# KiCad board PANEL5x4_COM_MOD.kicad_pcb (continued)
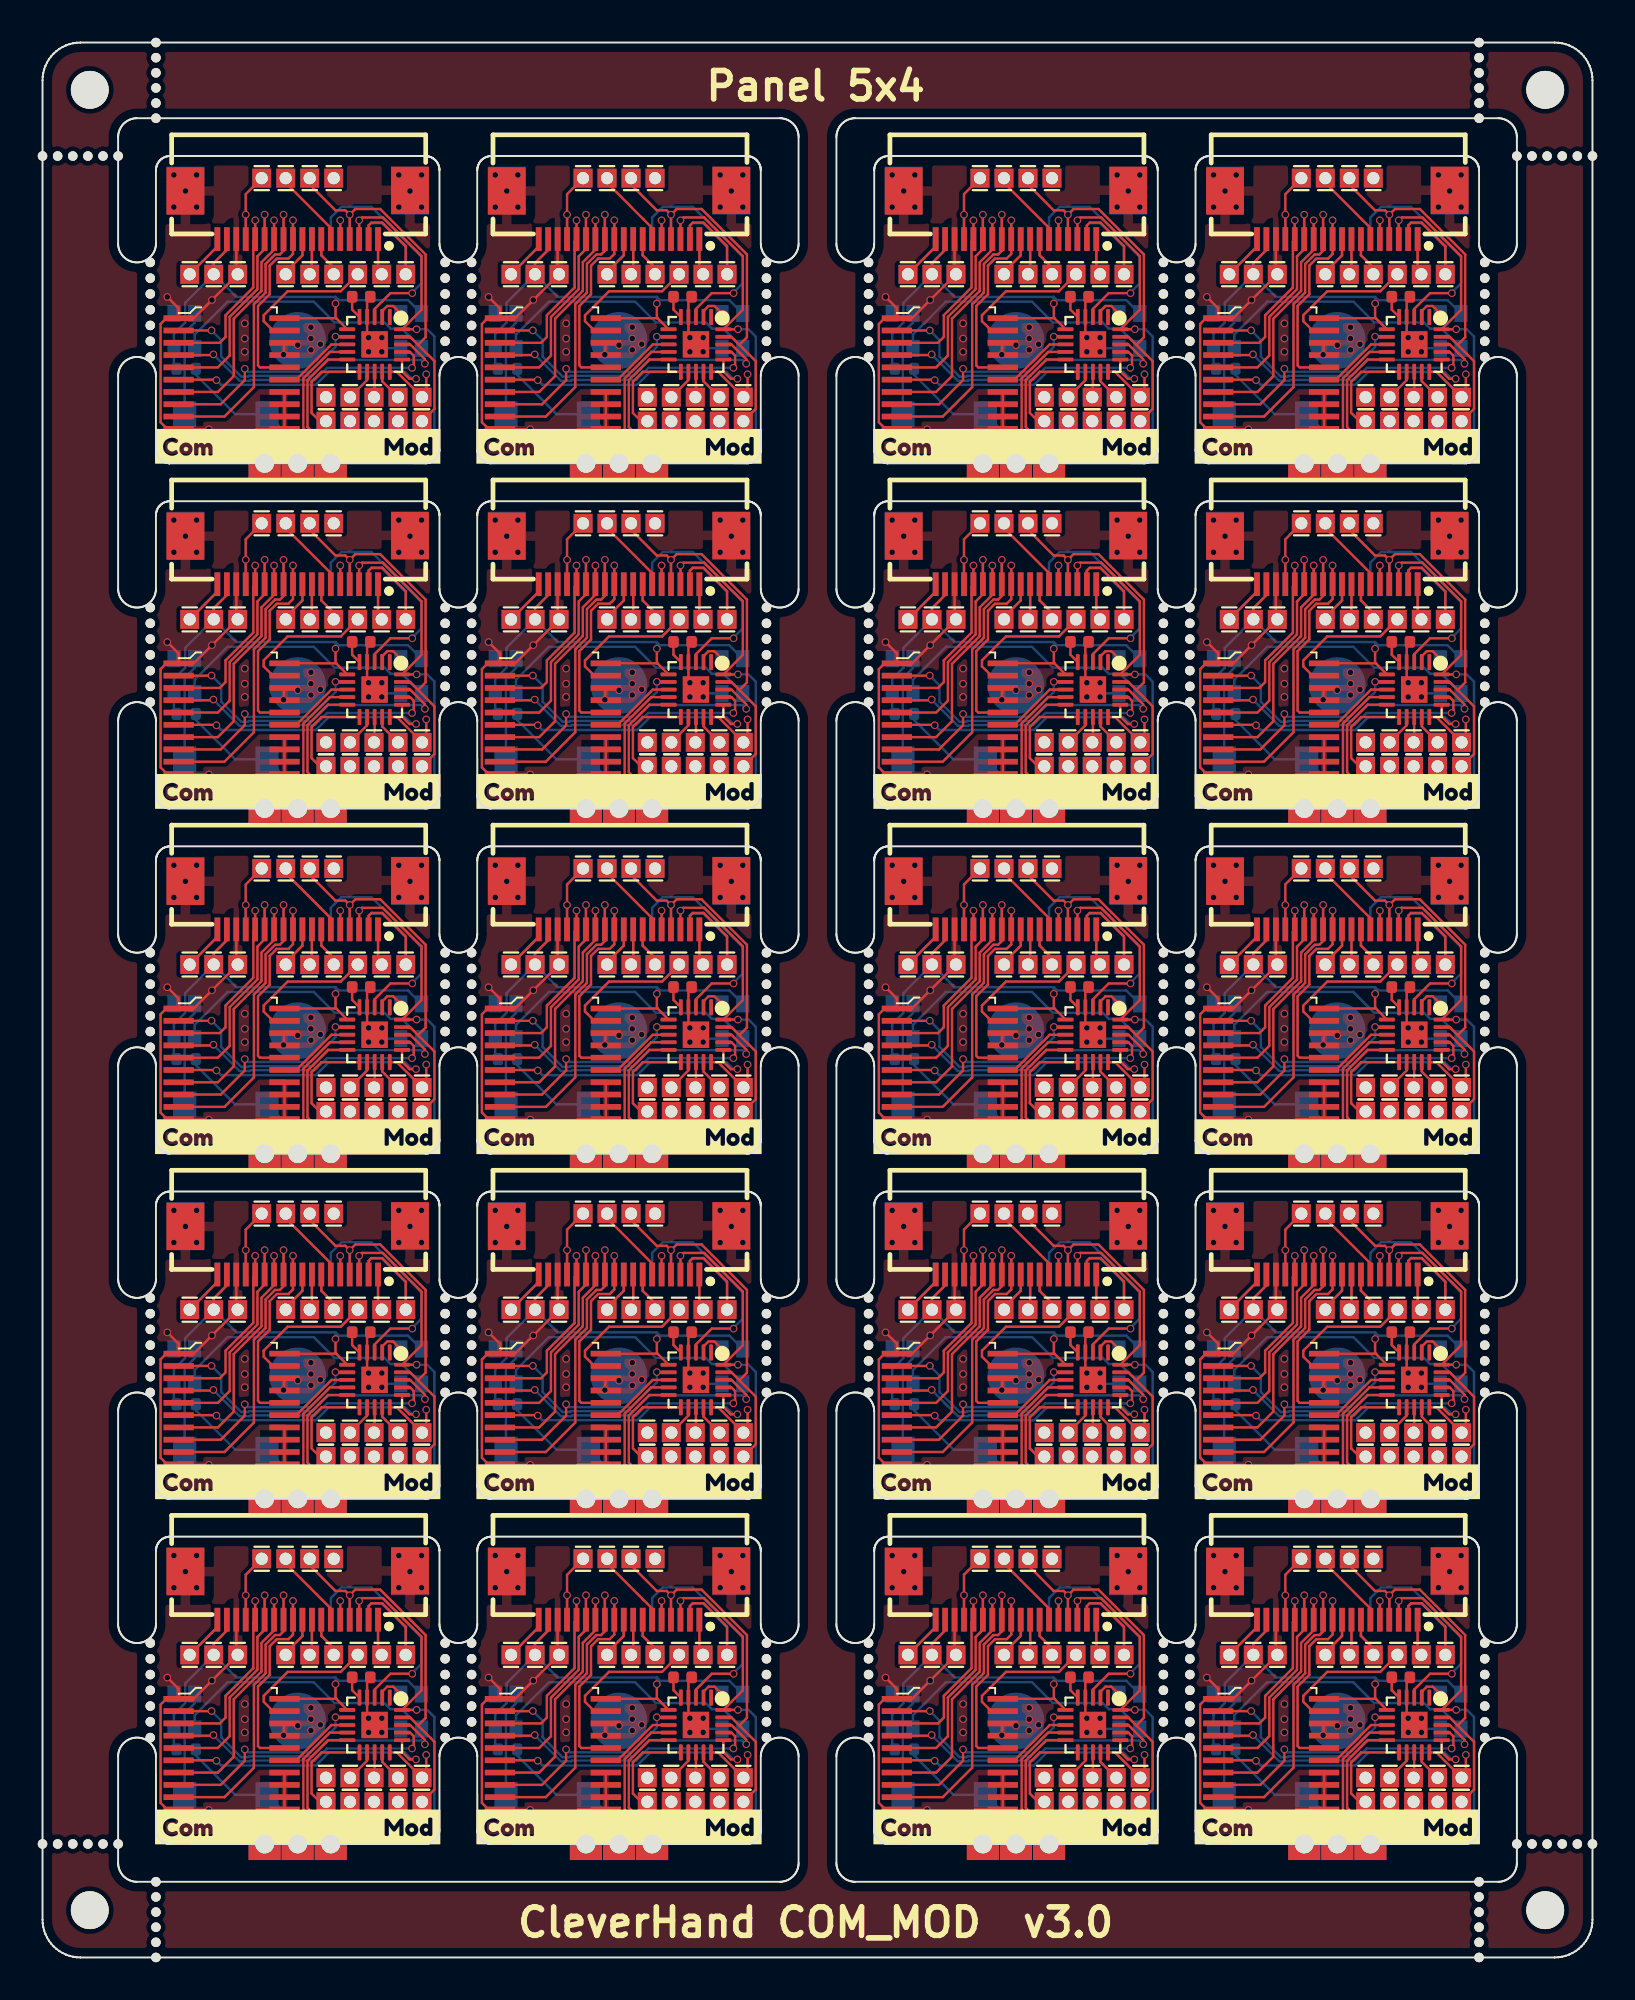
[diagram p0: board, top side]
## Nets
Board_0-+3.3V: FPC1#20.2 FPC2#15.17 J1#14.1 LED1#16.4 LED2#13.4 R1#10.1 U1#3.6 U2#17.20
Board_0-/addr_bus_0: FPC1#20.5 FPC2#15.14 U2#17.3
Board_0-/addr_bus_1: FPC1#20.6 FPC2#15.13 U2#17.5
Board_0-/addr_bus_2: FPC1#20.7 FPC2#15.12 U2#17.7
Board_0-/addr_bus_3: FPC1#20.8 FPC2#15.11 U2#17.9
Board_0-/addr_bus_4: FPC1#20.9 FPC2#15.10 U2#17.16
Board_0-/addr_mod_0: U1#3.18 U2#17.2
Board_0-/addr_mod_1: U1#3.17 U2#17.4
Board_0-/addr_mod_2: U1#3.16 U2#17.6
Board_0-/addr_mod_3: U1#3.7 U2#17.8
Board_0-/addr_mod_4: U1#3.8 U2#17.15
Board_0-/AIN0: J18#12.1 U1#3.11
Board_0-/AUX1: FPC1#20.1 FPC2#15.18 J19#20.1
Board_0-/AUX2: FPC1#20.17 FPC2#15.2 J20.1
Board_0-/AUX3: FPC1#20.4 FPC2#15.15 J3#14.1
Board_0-/CSB: J8#17.1 U2#17.19
Board_0-/extRef: FPC1#20.18 FPC2#15.1 J9#18.1
Board_0-/GPIO: J21#12.1 R1#10.2 SW1#2.1 U1#3.10
Board_0-/i2C_SCL: FPC1#20.16 FPC2#15.3 J16#4.1 J23#7.1 U1#3.20
Board_0-/I2C_SDA: FPC1#20.15 FPC2#15.4 J10#8.1 J17#2.1 U1#3.19
Board_0-/IO1_in: FPC1#20.13 U1#3.3
Board_0-/IO1_out: FPC2#15.6 J4#17.1 J11#10.1 U1#3.15
Board_0-/IO2: FPC1#20.14 FPC2#15.5
Board_0-/LED_IN: LED1#16.3 U1#3.2
Board_0-/LED_OUT: LED2#13.1
Board_0-/PICO: FPC1#20.11 FPC2#15.8 J6#11.1
Board_0-/PICO_ARM: J13#3.1 U1#3.13
Board_0-/POCI: FPC1#20.10 FPC2#15.9 J5#19.1
Board_0-/SCLK: FPC1#20.12 FPC2#15.7 J7#16.1
Board_0-/SCLK_ARM: J14#6.1 U1#3.12
Board_0-/SPICS_ARM: J15#15.1 U1#3.9
Board_0-/SWDIO/POCI_ARM: J12#7.1 U1#3.14
Board_0-/Vcap: C1#18.2 U1#3.5
Board_0-GND: C1#18.1 FPC1#20.3 FPC1#20.19 FPC1#20.20 FPC2#15.16 FPC2#15.19 FPC2#15.20 I1#16.1 J2#20.1 J22#16.1 J24#2.1 J25#18.1 J26#4.1 LED1#16.2 LED2#13.2 SW1#2.2 U1#3.4 U1#3.21 U2#17.1 U2#17.10 U2#17.11 U2#17.12 U2#17.13 U2#17.14 U2#17.17 U2#17.18
Board_0-Net-(LED1-DO): LED1#16.1 LED2#13.3
Board_0-unconnected-(U1-P00-Pad1): U1#3.1
Board_1-+3.3V: FPC1#13.2 FPC2#7.17 J1#20.1 LED1#9.4 LED2#4.4 R1#2.1 U1#4.6 U2#9.20
Board_1-/addr_bus_0: FPC1#13.5 FPC2#7.14 U2#9.3
Board_1-/addr_bus_1: FPC1#13.6 FPC2#7.13 U2#9.5
Board_1-/addr_bus_2: FPC1#13.7 FPC2#7.12 U2#9.7
Board_1-/addr_bus_3: FPC1#13.8 FPC2#7.11 U2#9.9
Board_1-/addr_bus_4: FPC1#13.9 FPC2#7.10 U2#9.16
Board_1-/addr_mod_0: U1#4.18 U2#9.2
Board_1-/addr_mod_1: U1#4.17 U2#9.4
Board_1-/addr_mod_2: U1#4.16 U2#9.6
Board_1-/addr_mod_3: U1#4.7 U2#9.8
Board_1-/addr_mod_4: U1#4.8 U2#9.15
Board_1-/AIN0: J18#18.1 U1#4.11
Board_1-/AUX1: FPC1#13.1 FPC2#7.18 J19#17.1
Board_1-/AUX2: FPC1#13.17 FPC2#7.2 J20#14.1
Board_1-/AUX3: FPC1#13.4 FPC2#7.15 J3#2.1
Board_1-/CSB: J8#19.1 U2#9.19
Board_1-/extRef: FPC1#13.18 FPC2#7.1 J9#6.1
Board_1-/GPIO: J21#9.1 R1#2.2 SW1#8.1 U1#4.10
Board_1-/i2C_SCL: FPC1#13.16 FPC2#7.3 J16#11.1 J23#14.1 U1#4.20
Board_1-/I2C_SDA: FPC1#13.15 FPC2#7.4 J10#12.1 J17#3.1 U1#4.19
Board_1-/IO1_in: FPC1#13.13 U1#4.3
Board_1-/IO1_out: FPC2#7.6 J4#2.1 J11#7.1 U1#4.15
Board_1-/IO2: FPC1#13.14 FPC2#7.5
Board_1-/LED_IN: LED1#9.3 U1#4.2
Board_1-/LED_OUT: LED2#4.1
Board_1-/PICO: FPC1#13.11 FPC2#7.8 J6#9.1
Board_1-/PICO_ARM: J13#17.1 U1#4.13
Board_1-/POCI: FPC1#13.10 FPC2#7.9 J5#3.1
Board_1-/SCLK: FPC1#13.12 FPC2#7.7 J7#3.1
Board_1-/SCLK_ARM: J14#10.1 U1#4.12
Board_1-/SPICS_ARM: J15#16.1 U1#4.9
Board_1-/SWDIO/POCI_ARM: J12.1 U1#4.14
Board_1-/Vcap: C1#6.2 U1#4.5
Board_1-GND: C1#6.1 FPC1#13.3 FPC1#13.19 FPC1#13.20 FPC2#7.16 FPC2#7.19 FPC2#7.20 I1#17.1 J2#2.1 J22.1 J24#19.1 J25#19.1 J26#14.1 LED1#9.2 LED2#4.2 SW1#8.2 U1#4.4 U1#4.21 U2#9.1 U2#9.10 U2#9.11 U2#9.12 U2#9.13 U2#9.14 U2#9.17 U2#9.18
Board_1-Net-(LED1-DO): LED1#9.1 LED2#4.3
Board_1-unconnected-(U1-P00-Pad1): U1#4.1
Board_2-+3.3V: FPC1#10.2 FPC2#6.17 J1#2.1 LED1#12.4 LED2#3.4 R1#16.1 U1#9.6 U2#11.20
Board_2-/addr_bus_0: FPC1#10.5 FPC2#6.14 U2#11.3
Board_2-/addr_bus_1: FPC1#10.6 FPC2#6.13 U2#11.5
Board_2-/addr_bus_2: FPC1#10.7 FPC2#6.12 U2#11.7
Board_2-/addr_bus_3: FPC1#10.8 FPC2#6.11 U2#11.9
Board_2-/addr_bus_4: FPC1#10.9 FPC2#6.10 U2#11.16
Board_2-/addr_mod_0: U1#9.18 U2#11.2
Board_2-/addr_mod_1: U1#9.17 U2#11.4
Board_2-/addr_mod_2: U1#9.16 U2#11.6
Board_2-/addr_mod_3: U1#9.7 U2#11.8
Board_2-/addr_mod_4: U1#9.8 U2#11.15
Board_2-/AIN0: J18#7.1 U1#9.11
Board_2-/AUX1: FPC1#10.1 FPC2#6.18 J19#7.1
Board_2-/AUX2: FPC1#10.17 FPC2#6.2 J20#5.1
Board_2-/AUX3: FPC1#10.4 FPC2#6.15 J3#6.1
Board_2-/CSB: J8#2.1 U2#11.19
Board_2-/extRef: FPC1#10.18 FPC2#6.1 J9#14.1
Board_2-/GPIO: J21#13.1 R1#16.2 SW1#10.1 U1#9.10
Board_2-/i2C_SCL: FPC1#10.16 FPC2#6.3 J16#12.1 J23#19.1 U1#9.20
Board_2-/I2C_SDA: FPC1#10.15 FPC2#6.4 J10#17.1 J17#17.1 U1#9.19
Board_2-/IO1_in: FPC1#10.13 U1#9.3
Board_2-/IO1_out: FPC2#6.6 J4#9.1 J11#3.1 U1#9.15
Board_2-/IO2: FPC1#10.14 FPC2#6.5
Board_2-/LED_IN: LED1#12.3 U1#9.2
Board_2-/LED_OUT: LED2#3.1
Board_2-/PICO: FPC1#10.11 FPC2#6.8 J6#16.1
Board_2-/PICO_ARM: J13#15.1 U1#9.13
Board_2-/POCI: FPC1#10.10 FPC2#6.9 J5#4.1
Board_2-/SCLK: FPC1#10.12 FPC2#6.7 J7#19.1
Board_2-/SCLK_ARM: J14#2.1 U1#9.12
Board_2-/SPICS_ARM: J15#20.1 U1#9.9
Board_2-/SWDIO/POCI_ARM: J12#13.1 U1#9.14
Board_2-/Vcap: C1#3.2 U1#9.5
Board_2-GND: C1#3.1 FPC1#10.3 FPC1#10.19 FPC1#10.20 FPC2#6.16 FPC2#6.19 FPC2#6.20 I1#14.1 J2#17.1 J22#12.1 J24#13.1 J25#14.1 J26#7.1 LED1#12.2 LED2#3.2 SW1#10.2 U1#9.4 U1#9.21 U2#11.1 U2#11.10 U2#11.11 U2#11.12 U2#11.13 U2#11.14 U2#11.17 U2#11.18
Board_2-Net-(LED1-DO): LED1#12.1 LED2#3.3
Board_2-unconnected-(U1-P00-Pad1): U1#9.1
Board_3-+3.3V: FPC1#3.2 FPC2#13.17 J1#18.1 LED1#17.4 LED2.4 R1#11.1 U1#12.6 U2#3.20
Board_3-/addr_bus_0: FPC1#3.5 FPC2#13.14 U2#3.3
Board_3-/addr_bus_1: FPC1#3.6 FPC2#13.13 U2#3.5
Board_3-/addr_bus_2: FPC1#3.7 FPC2#13.12 U2#3.7
Board_3-/addr_bus_3: FPC1#3.8 FPC2#13.11 U2#3.9
Board_3-/addr_bus_4: FPC1#3.9 FPC2#13.10 U2#3.16
Board_3-/addr_mod_0: U1#12.18 U2#3.2
Board_3-/addr_mod_1: U1#12.17 U2#3.4
Board_3-/addr_mod_2: U1#12.16 U2#3.6
Board_3-/addr_mod_3: U1#12.7 U2#3.8
Board_3-/addr_mod_4: U1#12.8 U2#3.15
Board_3-/AIN0: J18#3.1 U1#12.11
Board_3-/AUX1: FPC1#3.1 FPC2#13.18 J19#8.1
Board_3-/AUX2: FPC1#3.17 FPC2#13.2 J20#7.1
Board_3-/AUX3: FPC1#3.4 FPC2#13.15 J3#15.1
Board_3-/CSB: J8#7.1 U2#3.19
Board_3-/extRef: FPC1#3.18 FPC2#13.1 J9#3.1
Board_3-/GPIO: J21#2.1 R1#11.2 SW1#7.1 U1#12.10
Board_3-/i2C_SCL: FPC1#3.16 FPC2#13.3 J16.1 J23#8.1 U1#12.20
Board_3-/I2C_SDA: FPC1#3.15 FPC2#13.4 J10#10.1 J17#11.1 U1#12.19
Board_3-/IO1_in: FPC1#3.13 U1#12.3
Board_3-/IO1_out: FPC2#13.6 J4#18.1 J11#11.1 U1#12.15
Board_3-/IO2: FPC1#3.14 FPC2#13.5
Board_3-/LED_IN: LED1#17.3 U1#12.2
Board_3-/LED_OUT: LED2.1
Board_3-/PICO: FPC1#3.11 FPC2#13.8 J6#12.1
Board_3-/PICO_ARM: J13#16.1 U1#12.13
Board_3-/POCI: FPC1#3.10 FPC2#13.9 J5#14.1
Board_3-/SCLK: FPC1#3.12 FPC2#13.7 J7#17.1
Board_3-/SCLK_ARM: J14#4.1 U1#12.12
Board_3-/SPICS_ARM: J15.1 U1#12.9
Board_3-/SWDIO/POCI_ARM: J12#8.1 U1#12.14
Board_3-/Vcap: C1#4.2 U1#12.5
Board_3-GND: C1#4.1 FPC1#3.3 FPC1#3.19 FPC1#3.20 FPC2#13.16 FPC2#13.19 FPC2#13.20 I1#5.1 J2#16.1 J22#11.1 J24#16.1 J25#7.1 J26#19.1 LED1#17.2 LED2.2 SW1#7.2 U1#12.4 U1#12.21 U2#3.1 U2#3.10 U2#3.11 U2#3.12 U2#3.13 U2#3.14 U2#3.17 U2#3.18
Board_3-Net-(LED1-DO): LED1#17.1 LED2.3
Board_3-unconnected-(U1-P00-Pad1): U1#12.1
Board_4-+3.3V: FPC1#12.2 FPC2#8.17 J1.1 LED1#6.4 LED2#6.4 R1#15.1 U1#5.6 U2#7.20
Board_4-/addr_bus_0: FPC1#12.5 FPC2#8.14 U2#7.3
Board_4-/addr_bus_1: FPC1#12.6 FPC2#8.13 U2#7.5
Board_4-/addr_bus_2: FPC1#12.7 FPC2#8.12 U2#7.7
Board_4-/addr_bus_3: FPC1#12.8 FPC2#8.11 U2#7.9
Board_4-/addr_bus_4: FPC1#12.9 FPC2#8.10 U2#7.16
Board_4-/addr_mod_0: U1#5.18 U2#7.2
Board_4-/addr_mod_1: U1#5.17 U2#7.4
Board_4-/addr_mod_2: U1#5.16 U2#7.6
Board_4-/addr_mod_3: U1#5.7 U2#7.8
Board_4-/addr_mod_4: U1#5.8 U2#7.15
Board_4-/AIN0: J18#15.1 U1#5.11
Board_4-/AUX1: FPC1#12.1 FPC2#8.18 J19#11.1
Board_4-/AUX2: FPC1#12.17 FPC2#8.2 J20#15.1
Board_4-/AUX3: FPC1#12.4 FPC2#8.15 J3#16.1
Board_4-/CSB: J8#5.1 U2#7.19
Board_4-/extRef: FPC1#12.18 FPC2#8.1 J9.1
Board_4-/GPIO: J21#11.1 R1#15.2 SW1#13.1 U1#5.10
Board_4-/i2C_SCL: FPC1#12.16 FPC2#8.3 J16#20.1 J23#17.1 U1#5.20
Board_4-/I2C_SDA: FPC1#12.15 FPC2#8.4 J10#13.1 J17#18.1 U1#5.19
Board_4-/IO1_in: FPC1#12.13 U1#5.3
Board_4-/IO1_out: FPC2#8.6 J4#7.1 J11#19.1 U1#5.15
Board_4-/IO2: FPC1#12.14 FPC2#8.5
Board_4-/LED_IN: LED1#6.3 U1#5.2
Board_4-/LED_OUT: LED2#6.1
Board_4-/PICO: FPC1#12.11 FPC2#8.8 J6#5.1
Board_4-/PICO_ARM: J13#10.1 U1#5.13
Board_4-/POCI: FPC1#12.10 FPC2#8.9 J5#20.1
Board_4-/SCLK: FPC1#12.12 FPC2#8.7 J7#7.1
Board_4-/SCLK_ARM: J14#5.1 U1#5.12
Board_4-/SPICS_ARM: J15#14.1 U1#5.9
Board_4-/SWDIO/POCI_ARM: J12#6.1 U1#5.14
Board_4-/Vcap: C1#12.2 U1#5.5
Board_4-GND: C1#12.1 FPC1#12.3 FPC1#12.19 FPC1#12.20 FPC2#8.16 FPC2#8.19 FPC2#8.20 I1#3.1 J2#9.1 J22#14.1 J24#20.1 J25#5.1 J26#10.1 LED1#6.2 LED2#6.2 SW1#13.2 U1#5.4 U1#5.21 U2#7.1 U2#7.10 U2#7.11 U2#7.12 U2#7.13 U2#7.14 U2#7.17 U2#7.18
Board_4-Net-(LED1-DO): LED1#6.1 LED2#6.3
Board_4-unconnected-(U1-P00-Pad1): U1#5.1
Board_5-+3.3V: FPC1#6.2 FPC2#18.17 J1#17.1 LED1#2.4 LED2#16.4 R1#3.1 U1#11.6 U2#2.20
Board_5-/addr_bus_0: FPC1#6.5 FPC2#18.14 U2#2.3
Board_5-/addr_bus_1: FPC1#6.6 FPC2#18.13 U2#2.5
Board_5-/addr_bus_2: FPC1#6.7 FPC2#18.12 U2#2.7
Board_5-/addr_bus_3: FPC1#6.8 FPC2#18.11 U2#2.9
Board_5-/addr_bus_4: FPC1#6.9 FPC2#18.10 U2#2.16
Board_5-/addr_mod_0: U1#11.18 U2#2.2
Board_5-/addr_mod_1: U1#11.17 U2#2.4
Board_5-/addr_mod_2: U1#11.16 U2#2.6
Board_5-/addr_mod_3: U1#11.7 U2#2.8
Board_5-/addr_mod_4: U1#11.8 U2#2.15
Board_5-/AIN0: J18#16.1 U1#11.11
Board_5-/AUX1: FPC1#6.1 FPC2#18.18 J19#12.1
Board_5-/AUX2: FPC1#6.17 FPC2#18.2 J20#17.1
Board_5-/AUX3: FPC1#6.4 FPC2#18.15 J3#9.1
Board_5-/CSB: J8#4.1 U2#2.19
Board_5-/extRef: FPC1#6.18 FPC2#18.1 J9#5.1
Board_5-/GPIO: J21.1 R1#3.2 SW1#20.1 U1#11.10
Board_5-/i2C_SCL: FPC1#6.16 FPC2#18.3 J16#5.1 J23#6.1 U1#11.20
Board_5-/I2C_SDA: FPC1#6.15 FPC2#18.4 J10#18.1 J17#5.1 U1#11.19
Board_5-/IO1_in: FPC1#6.13 U1#11.3
Board_5-/IO1_out: FPC2#18.6 J4#12.1 J11#17.1 U1#11.15
Board_5-/IO2: FPC1#6.14 FPC2#18.5
Board_5-/LED_IN: LED1#2.3 U1#11.2
Board_5-/LED_OUT: LED2#16.1
Board_5-/PICO: FPC1#6.11 FPC2#18.8 J6#20.1
Board_5-/PICO_ARM: J13#9.1 U1#11.13
Board_5-/POCI: FPC1#6.10 FPC2#18.9 J5#18.1
Board_5-/SCLK: FPC1#6.12 FPC2#18.7 J7#9.1
Board_5-/SCLK_ARM: J14#9.1 U1#11.12
Board_5-/SPICS_ARM: J15#12.1 U1#11.9
Board_5-/SWDIO/POCI_ARM: J12#17.1 U1#11.14
Board_5-/Vcap: C1#13.2 U1#11.5
Board_5-GND: C1#13.1 FPC1#6.3 FPC1#6.19 FPC1#6.20 FPC2#18.16 FPC2#18.19 FPC2#18.20 I1#15.1 J2#4.1 J22#2.1 J24#12.1 J25.1 J26#11.1 LED1#2.2 LED2#16.2 SW1#20.2 U1#11.4 U1#11.21 U2#2.1 U2#2.10 U2#2.11 U2#2.12 U2#2.13 U2#2.14 U2#2.17 U2#2.18
Board_5-Net-(LED1-DO): LED1#2.1 LED2#16.3
Board_5-unconnected-(U1-P00-Pad1): U1#11.1
Board_6-+3.3V: FPC1#14.2 FPC2#20.17 J1#19.1 LED1#13.4 LED2#2.4 R1#9.1 U1#19.6 U2#5.20
Board_6-/addr_bus_0: FPC1#14.5 FPC2#20.14 U2#5.3
Board_6-/addr_bus_1: FPC1#14.6 FPC2#20.13 U2#5.5
Board_6-/addr_bus_2: FPC1#14.7 FPC2#20.12 U2#5.7
Board_6-/addr_bus_3: FPC1#14.8 FPC2#20.11 U2#5.9
Board_6-/addr_bus_4: FPC1#14.9 FPC2#20.10 U2#5.16
Board_6-/addr_mod_0: U1#19.18 U2#5.2
Board_6-/addr_mod_1: U1#19.17 U2#5.4
Board_6-/addr_mod_2: U1#19.16 U2#5.6
Board_6-/addr_mod_3: U1#19.7 U2#5.8
Board_6-/addr_mod_4: U1#19.8 U2#5.15
Board_6-/AIN0: J18#9.1 U1#19.11
Board_6-/AUX1: FPC1#14.1 FPC2#20.18 J19#2.1
Board_6-/AUX2: FPC1#14.17 FPC2#20.2 J20#2.1
Board_6-/AUX3: FPC1#14.4 FPC2#20.15 J3#18.1
Board_6-/CSB: J8#20.1 U2#5.19
Board_6-/extRef: FPC1#14.18 FPC2#20.1 J9#16.1
Board_6-/GPIO: J21#3.1 R1#9.2 SW1.1 U1#19.10
Board_6-/i2C_SCL: FPC1#14.16 FPC2#20.3 J16#18.1 J23.1 U1#19.20
Board_6-/I2C_SDA: FPC1#14.15 FPC2#20.4 J10#19.1 J17#14.1 U1#19.19
Board_6-/IO1_in: FPC1#14.13 U1#19.3
Board_6-/IO1_out: FPC2#20.6 J4#10.1 J11#16.1 U1#19.15
Board_6-/IO2: FPC1#14.14 FPC2#20.5
Board_6-/LED_IN: LED1#13.3 U1#19.2
Board_6-/LED_OUT: LED2#2.1
Board_6-/PICO: FPC1#14.11 FPC2#20.8 J6#3.1
Board_6-/PICO_ARM: J13#7.1 U1#19.13
Board_6-/POCI: FPC1#14.10 FPC2#20.9 J5#15.1
Board_6-/SCLK: FPC1#14.12 FPC2#20.7 J7#5.1
Board_6-/SCLK_ARM: J14#16.1 U1#19.12
Board_6-/SPICS_ARM: J15#13.1 U1#19.9
Board_6-/SWDIO/POCI_ARM: J12#16.1 U1#19.14
Board_6-/Vcap: C1#17.2 U1#19.5
Board_6-GND: C1#17.1 FPC1#14.3 FPC1#14.19 FPC1#14.20 FPC2#20.16 FPC2#20.19 FPC2#20.20 I1#20.1 J2#10.1 J22#8.1 J24#11.1 J25#8.1 J26#13.1 LED1#13.2 LED2#2.2 SW1.2 U1#19.4 U1#19.21 U2#5.1 U2#5.10 U2#5.11 U2#5.12 U2#5.13 U2#5.14 U2#5.17 U2#5.18
Board_6-Net-(LED1-DO): LED1#13.1 LED2#2.3
Board_6-unconnected-(U1-P00-Pad1): U1#19.1
Board_7-+3.3V: FPC1#11.2 FPC2#4.17 J1#13.1 LED1#8.4 LED2#9.4 R1#13.1 U1#13.6 U2#10.20
Board_7-/addr_bus_0: FPC1#11.5 FPC2#4.14 U2#10.3
Board_7-/addr_bus_1: FPC1#11.6 FPC2#4.13 U2#10.5
Board_7-/addr_bus_2: FPC1#11.7 FPC2#4.12 U2#10.7
Board_7-/addr_bus_3: FPC1#11.8 FPC2#4.11 U2#10.9
Board_7-/addr_bus_4: FPC1#11.9 FPC2#4.10 U2#10.16
Board_7-/addr_mod_0: U1#13.18 U2#10.2
Board_7-/addr_mod_1: U1#13.17 U2#10.4
Board_7-/addr_mod_2: U1#13.16 U2#10.6
Board_7-/addr_mod_3: U1#13.7 U2#10.8
Board_7-/addr_mod_4: U1#13.8 U2#10.15
Board_7-/AIN0: J18#5.1 U1#13.11
Board_7-/AUX1: FPC1#11.1 FPC2#4.18 J19#14.1
Board_7-/AUX2: FPC1#11.17 FPC2#4.2 J20#18.1
Board_7-/AUX3: FPC1#11.4 FPC2#4.15 J3#20.1
Board_7-/CSB: J8#8.1 U2#10.19
Board_7-/extRef: FPC1#11.18 FPC2#4.1 J9#10.1
Board_7-/GPIO: J21#20.1 R1#13.2 SW1#15.1 U1#13.10
Board_7-/i2C_SCL: FPC1#11.16 FPC2#4.3 J16#15.1 J23#16.1 U1#13.20
Board_7-/I2C_SDA: FPC1#11.15 FPC2#4.4 J10#2.1 J17#12.1 U1#13.19
Board_7-/IO1_in: FPC1#11.13 U1#13.3
Board_7-/IO1_out: FPC2#4.6 J4#4.1 J11#18.1 U1#13.15
Board_7-/IO2: FPC1#11.14 FPC2#4.5
Board_7-/LED_IN: LED1#8.3 U1#13.2
Board_7-/LED_OUT: LED2#9.1
Board_7-/PICO: FPC1#11.11 FPC2#4.8 J6#15.1
Board_7-/PICO_ARM: J13#6.1 U1#13.13
Board_7-/POCI: FPC1#11.10 FPC2#4.9 J5#9.1
Board_7-/SCLK: FPC1#11.12 FPC2#4.7 J7#15.1
Board_7-/SCLK_ARM: J14.1 U1#13.12
Board_7-/SPICS_ARM: J15#6.1 U1#13.9
Board_7-/SWDIO/POCI_ARM: J12#12.1 U1#13.14
Board_7-/Vcap: C1#8.2 U1#13.5
Board_7-GND: C1#8.1 FPC1#11.3 FPC1#11.19 FPC1#11.20 FPC2#4.16 FPC2#4.19 FPC2#4.20 I1#18.1 J2#11.1 J22#4.1 J24#17.1 J25#3.1 J26#5.1 LED1#8.2 LED2#9.2 SW1#15.2 U1#13.4 U1#13.21 U2#10.1 U2#10.10 U2#10.11 U2#10.12 U2#10.13 U2#10.14 U2#10.17 U2#10.18
Board_7-Net-(LED1-DO): LED1#8.1 LED2#9.3
Board_7-unconnected-(U1-P00-Pad1): U1#13.1
Board_8-+3.3V: FPC1#8.2 FPC2#17.17 J1#8.1 LED1#4.4 LED2#10.4 R1#6.1 U1#14.6 U2#13.20
Board_8-/addr_bus_0: FPC1#8.5 FPC2#17.14 U2#13.3
Board_8-/addr_bus_1: FPC1#8.6 FPC2#17.13 U2#13.5
Board_8-/addr_bus_2: FPC1#8.7 FPC2#17.12 U2#13.7
Board_8-/addr_bus_3: FPC1#8.8 FPC2#17.11 U2#13.9
Board_8-/addr_bus_4: FPC1#8.9 FPC2#17.10 U2#13.16
Board_8-/addr_mod_0: U1#14.18 U2#13.2
Board_8-/addr_mod_1: U1#14.17 U2#13.4
Board_8-/addr_mod_2: U1#14.16 U2#13.6
Board_8-/addr_mod_3: U1#14.7 U2#13.8
Board_8-/addr_mod_4: U1#14.8 U2#13.15
Board_8-/AIN0: J18#14.1 U1#14.11
Board_8-/AUX1: FPC1#8.1 FPC2#17.18 J19.1
Board_8-/AUX2: FPC1#8.17 FPC2#17.2 J20#11.1
Board_8-/AUX3: FPC1#8.4 FPC2#17.15 J3#11.1
Board_8-/CSB: J8#10.1 U2#13.19
Board_8-/extRef: FPC1#8.18 FPC2#17.1 J9#20.1
Board_8-/GPIO: J21#10.1 R1#6.2 SW1#12.1 U1#14.10
Board_8-/i2C_SCL: FPC1#8.16 FPC2#17.3 J16#10.1 J23#11.1 U1#14.20
Board_8-/I2C_SDA: FPC1#8.15 FPC2#17.4 J10#5.1 J17#8.1 U1#14.19
Board_8-/IO1_in: FPC1#8.13 U1#14.3
Board_8-/IO1_out: FPC2#17.6 J4#8.1 J11#12.1 U1#14.15
Board_8-/IO2: FPC1#8.14 FPC2#17.5
Board_8-/LED_IN: LED1#4.3 U1#14.2
Board_8-/LED_OUT: LED2#10.1
Board_8-/PICO: FPC1#8.11 FPC2#17.8 J6#8.1
Board_8-/PICO_ARM: J13#19.1 U1#14.13
Board_8-/POCI: FPC1#8.10 FPC2#17.9 J5#6.1
Board_8-/SCLK: FPC1#8.12 FPC2#17.7 J7#10.1
Board_8-/SCLK_ARM: J14#12.1 U1#14.12
Board_8-/SPICS_ARM: J15#3.1 U1#14.9
Board_8-/SWDIO/POCI_ARM: J12#14.1 U1#14.14
Board_8-/Vcap: C1#11.2 U1#14.5
Board_8-GND: C1#11.1 FPC1#8.3 FPC1#8.19 FPC1#8.20 FPC2#17.16 FPC2#17.19 FPC2#17.20 I1#10.1 J2#5.1 J22#9.1 J24#5.1 J25#12.1 J26#20.1 LED1#4.2 LED2#10.2 SW1#12.2 U1#14.4 U1#14.21 U2#13.1 U2#13.10 U2#13.11 U2#13.12 U2#13.13 U2#13.14 U2#13.17 U2#13.18
Board_8-Net-(LED1-DO): LED1#4.1 LED2#10.3
Board_8-unconnected-(U1-P00-Pad1): U1#14.1
Board_9-+3.3V: FPC1#18.2 FPC2#16.17 J1#12.1 LED1#7.4 LED2#20.4 R1#12.1 U1#17.6 U2#6.20
Board_9-/addr_bus_0: FPC1#18.5 FPC2#16.14 U2#6.3
Board_9-/addr_bus_1: FPC1#18.6 FPC2#16.13 U2#6.5
Board_9-/addr_bus_2: FPC1#18.7 FPC2#16.12 U2#6.7
Board_9-/addr_bus_3: FPC1#18.8 FPC2#16.11 U2#6.9
Board_9-/addr_bus_4: FPC1#18.9 FPC2#16.10 U2#6.16
Board_9-/addr_mod_0: U1#17.18 U2#6.2
Board_9-/addr_mod_1: U1#17.17 U2#6.4
Board_9-/addr_mod_2: U1#17.16 U2#6.6
Board_9-/addr_mod_3: U1#17.7 U2#6.8
Board_9-/addr_mod_4: U1#17.8 U2#6.15
Board_9-/AIN0: J18#17.1 U1#17.11
Board_9-/AUX1: FPC1#18.1 FPC2#16.18 J19#18.1
Board_9-/AUX2: FPC1#18.17 FPC2#16.2 J20#6.1
Board_9-/AUX3: FPC1#18.4 FPC2#16.15 J3#17.1
Board_9-/CSB: J8#15.1 U2#6.19
Board_9-/extRef: FPC1#18.18 FPC2#16.1 J9#19.1
Board_9-/GPIO: J21#19.1 R1#12.2 SW1#11.1 U1#17.10
Board_9-/i2C_SCL: FPC1#18.16 FPC2#16.3 J16#8.1 J23#3.1 U1#17.20
Board_9-/I2C_SDA: FPC1#18.15 FPC2#16.4 J10#14.1 J17#13.1 U1#17.19
Board_9-/IO1_in: FPC1#18.13 U1#17.3
Board_9-/IO1_out: FPC2#16.6 J4#14.1 J11#5.1 U1#17.15
Board_9-/IO2: FPC1#18.14 FPC2#16.5
Board_9-/LED_IN: LED1#7.3 U1#17.2
Board_9-/LED_OUT: LED2#20.1
Board_9-/PICO: FPC1#18.11 FPC2#16.8 J6#10.1
Board_9-/PICO_ARM: J13#14.1 U1#17.13
Board_9-/POCI: FPC1#18.10 FPC2#16.9 J5#16.1
Board_9-/SCLK: FPC1#18.12 FPC2#16.7 J7#13.1
Board_9-/SCLK_ARM: J14#18.1 U1#17.12
Board_9-/SPICS_ARM: J15#19.1 U1#17.9
Board_9-/SWDIO/POCI_ARM: J12#18.1 U1#17.14
Board_9-/Vcap: C1.2 U1#17.5
Board_9-GND: C1.1 FPC1#18.3 FPC1#18.19 FPC1#18.20 FPC2#16.16 FPC2#16.19 FPC2#16.20 I1.1 J2#14.1 J22#19.1 J24#9.1 J25#9.1 J26#17.1 LED1#7.2 LED2#20.2 SW1#11.2 U1#17.4 U1#17.21 U2#6.1 U2#6.10 U2#6.11 U2#6.12 U2#6.13 U2#6.14 U2#6.17 U2#6.18
Board_9-Net-(LED1-DO): LED1#7.1 LED2#20.3
Board_9-unconnected-(U1-P00-Pad1): U1#17.1
Board_10-+3.3V: FPC1#16.2 FPC2#19.17 J1#15.1 LED1#14.4 LED2#5.4 R1#8.1 U1#8.6 U2#12.20
Board_10-/addr_bus_0: FPC1#16.5 FPC2#19.14 U2#12.3
Board_10-/addr_bus_1: FPC1#16.6 FPC2#19.13 U2#12.5
Board_10-/addr_bus_2: FPC1#16.7 FPC2#19.12 U2#12.7
Board_10-/addr_bus_3: FPC1#16.8 FPC2#19.11 U2#12.9
Board_10-/addr_bus_4: FPC1#16.9 FPC2#19.10 U2#12.16
Board_10-/addr_mod_0: U1#8.18 U2#12.2
Board_10-/addr_mod_1: U1#8.17 U2#12.4
Board_10-/addr_mod_2: U1#8.16 U2#12.6
Board_10-/addr_mod_3: U1#8.7 U2#12.8
Board_10-/addr_mod_4: U1#8.8 U2#12.15
Board_10-/AIN0: J18#8.1 U1#8.11
Board_10-/AUX1: FPC1#16.1 FPC2#19.18 J19#13.1
Board_10-/AUX2: FPC1#16.17 FPC2#19.2 J20#16.1
Board_10-/AUX3: FPC1#16.4 FPC2#19.15 J3#3.1
Board_10-/CSB: J8.1 U2#12.19
Board_10-/extRef: FPC1#16.18 FPC2#19.1 J9#4.1
Board_10-/GPIO: J21#5.1 R1#8.2 SW1#19.1 U1#8.10
Board_10-/i2C_SCL: FPC1#16.16 FPC2#19.3 J16#19.1 J23#12.1 U1#8.20
Board_10-/I2C_SDA: FPC1#16.15 FPC2#19.4 J10#4.1 J17#10.1 U1#8.19
Board_10-/IO1_in: FPC1#16.13 U1#8.3
Board_10-/IO1_out: FPC2#19.6 J4#20.1 J11#8.1 U1#8.15
Board_10-/IO2: FPC1#16.14 FPC2#19.5
Board_10-/LED_IN: LED1#14.3 U1#8.2
Board_10-/LED_OUT: LED2#5.1
Board_10-/PICO: FPC1#16.11 FPC2#19.8 J6#17.1
Board_10-/PICO_ARM: J13#11.1 U1#8.13
Board_10-/POCI: FPC1#16.10 FPC2#19.9 J5#2.1
Board_10-/SCLK: FPC1#16.12 FPC2#19.7 J7#6.1
Board_10-/SCLK_ARM: J14#15.1 U1#8.12
Board_10-/SPICS_ARM: J15#7.1 U1#8.9
Board_10-/SWDIO/POCI_ARM: J12#11.1 U1#8.14
Board_10-/Vcap: C1#20.2 U1#8.5
Board_10-GND: C1#20.1 FPC1#16.3 FPC1#16.19 FPC1#16.20 FPC2#19.16 FPC2#19.19 FPC2#19.20 I1#13.1 J2#7.1 J22#18.1 J24#10.1 J25#6.1 J26#12.1 LED1#14.2 LED2#5.2 SW1#19.2 U1#8.4 U1#8.21 U2#12.1 U2#12.10 U2#12.11 U2#12.12 U2#12.13 U2#12.14 U2#12.17 U2#12.18
Board_10-Net-(LED1-DO): LED1#14.1 LED2#5.3
Board_10-unconnected-(U1-P00-Pad1): U1#8.1
Board_11-+3.3V: FPC1#4.2 FPC2#14.17 J1#3.1 LED1#19.4 LED2#14.4 R1#4.1 U1#18.6 U2.20
Board_11-/addr_bus_0: FPC1#4.5 FPC2#14.14 U2.3
Board_11-/addr_bus_1: FPC1#4.6 FPC2#14.13 U2.5
Board_11-/addr_bus_2: FPC1#4.7 FPC2#14.12 U2.7
Board_11-/addr_bus_3: FPC1#4.8 FPC2#14.11 U2.9
Board_11-/addr_bus_4: FPC1#4.9 FPC2#14.10 U2.16
Board_11-/addr_mod_0: U1#18.18 U2.2
Board_11-/addr_mod_1: U1#18.17 U2.4
Board_11-/addr_mod_2: U1#18.16 U2.6
Board_11-/addr_mod_3: U1#18.7 U2.8
Board_11-/addr_mod_4: U1#18.8 U2.15
Board_11-/AIN0: J18#11.1 U1#18.11
Board_11-/AUX1: FPC1#4.1 FPC2#14.18 J19#4.1
Board_11-/AUX2: FPC1#4.17 FPC2#14.2 J20#13.1
Board_11-/AUX3: FPC1#4.4 FPC2#14.15 J3#5.1
Board_11-/CSB: J8#11.1 U2.19
Board_11-/extRef: FPC1#4.18 FPC2#14.1 J9#7.1
Board_11-/GPIO: J21#4.1 R1#4.2 SW1#14.1 U1#18.10
Board_11-/i2C_SCL: FPC1#4.16 FPC2#14.3 J16#13.1 J23#15.1 U1#18.20
Board_11-/I2C_SDA: FPC1#4.15 FPC2#14.4 J10#20.1 J17#6.1 U1#18.19
Board_11-/IO1_in: FPC1#4.13 U1#18.3
Board_11-/IO1_out: FPC2#14.6 J4#5.1 J11#2.1 U1#18.15
Board_11-/IO2: FPC1#4.14 FPC2#14.5
Board_11-/LED_IN: LED1#19.3 U1#18.2
Board_11-/LED_OUT: LED2#14.1
Board_11-/PICO: FPC1#4.11 FPC2#14.8 J6#2.1
Board_11-/PICO_ARM: J13#18.1 U1#18.13
Board_11-/POCI: FPC1#4.10 FPC2#14.9 J5#7.1
Board_11-/SCLK: FPC1#4.12 FPC2#14.7 J7#12.1
Board_11-/SCLK_ARM: J14#13.1 U1#18.12
Board_11-/SPICS_ARM: J15#8.1 U1#18.9
Board_11-/SWDIO/POCI_ARM: J12#15.1 U1#18.14
Board_11-/Vcap: C1#16.2 U1#18.5
Board_11-GND: C1#16.1 FPC1#4.3 FPC1#4.19 FPC1#4.20 FPC2#14.16 FPC2#14.19 FPC2#14.20 I1#11.1 J2#18.1 J22#20.1 J24#7.1 J25#17.1 J26#6.1 LED1#19.2 LED2#14.2 SW1#14.2 U1#18.4 U1#18.21 U2.1 U2.10 U2.11 U2.12 U2.13 U2.14 U2.17 U2.18
Board_11-Net-(LED1-DO): LED1#19.1 LED2#14.3
Board_11-unconnected-(U1-P00-Pad1): U1#18.1
Board_12-+3.3V: FPC1#5.2 FPC2#12.17 J1#9.1 LED1#15.4 LED2#12.4 R1#19.1 U1#6.6 U2#4.20
Board_12-/addr_bus_0: FPC1#5.5 FPC2#12.14 U2#4.3
Board_12-/addr_bus_1: FPC1#5.6 FPC2#12.13 U2#4.5
Board_12-/addr_bus_2: FPC1#5.7 FPC2#12.12 U2#4.7
Board_12-/addr_bus_3: FPC1#5.8 FPC2#12.11 U2#4.9
Board_12-/addr_bus_4: FPC1#5.9 FPC2#12.10 U2#4.16
Board_12-/addr_mod_0: U1#6.18 U2#4.2
Board_12-/addr_mod_1: U1#6.17 U2#4.4
Board_12-/addr_mod_2: U1#6.16 U2#4.6
Board_12-/addr_mod_3: U1#6.7 U2#4.8
Board_12-/addr_mod_4: U1#6.8 U2#4.15
Board_12-/AIN0: J18#10.1 U1#6.11
Board_12-/AUX1: FPC1#5.1 FPC2#12.18 J19#16.1
Board_12-/AUX2: FPC1#5.17 FPC2#12.2 J20#3.1
Board_12-/AUX3: FPC1#5.4 FPC2#12.15 J3#7.1
Board_12-/CSB: J8#13.1 U2#4.19
Board_12-/extRef: FPC1#5.18 FPC2#12.1 J9#2.1
Board_12-/GPIO: J21#18.1 R1#19.2 SW1#3.1 U1#6.10
Board_12-/i2C_SCL: FPC1#5.16 FPC2#12.3 J16#17.1 J23#2.1 U1#6.20
Board_12-/I2C_SDA: FPC1#5.15 FPC2#12.4 J10#7.1 J17#19.1 U1#6.19
Board_12-/IO1_in: FPC1#5.13 U1#6.3
Board_12-/IO1_out: FPC2#12.6 J4#3.1 J11#15.1 U1#6.15
Board_12-/IO2: FPC1#5.14 FPC2#12.5
Board_12-/LED_IN: LED1#15.3 U1#6.2
Board_12-/LED_OUT: LED2#12.1
Board_12-/PICO: FPC1#5.11 FPC2#12.8 J6#13.1
Board_12-/PICO_ARM: J13#13.1 U1#6.13
Board_12-/POCI: FPC1#5.10 FPC2#12.9 J5#5.1
Board_12-/SCLK: FPC1#5.12 FPC2#12.7 J7#4.1
Board_12-/SCLK_ARM: J14#19.1 U1#6.12
Board_12-/SPICS_ARM: J15#5.1 U1#6.9
Board_12-/SWDIO/POCI_ARM: J12#5.1 U1#6.14
Board_12-/Vcap: C1#9.2 U1#6.5
Board_12-GND: C1#9.1 FPC1#5.3 FPC1#5.19 FPC1#5.20 FPC2#12.16 FPC2#12.19 FPC2#12.20 I1#8.1 J2#19.1 J22#6.1 J24.1 J25#13.1 J26#16.1 LED1#15.2 LED2#12.2 SW1#3.2 U1#6.4 U1#6.21 U2#4.1 U2#4.10 U2#4.11 U2#4.12 U2#4.13 U2#4.14 U2#4.17 U2#4.18
Board_12-Net-(LED1-DO): LED1#15.1 LED2#12.3
Board_12-unconnected-(U1-P00-Pad1): U1#6.1
Board_13-+3.3V: FPC1.2 FPC2.17 J1#10.1 LED1#5.4 LED2#7.4 R1#20.1 U1#7.6 U2#18.20
Board_13-/addr_bus_0: FPC1.5 FPC2.14 U2#18.3
Board_13-/addr_bus_1: FPC1.6 FPC2.13 U2#18.5
Board_13-/addr_bus_2: FPC1.7 FPC2.12 U2#18.7
Board_13-/addr_bus_3: FPC1.8 FPC2.11 U2#18.9
Board_13-/addr_bus_4: FPC1.9 FPC2.10 U2#18.16
Board_13-/addr_mod_0: U1#7.18 U2#18.2
Board_13-/addr_mod_1: U1#7.17 U2#18.4
Board_13-/addr_mod_2: U1#7.16 U2#18.6
Board_13-/addr_mod_3: U1#7.7 U2#18.8
Board_13-/addr_mod_4: U1#7.8 U2#18.15
Board_13-/AIN0: J18#2.1 U1#7.11
Board_13-/AUX1: FPC1.1 FPC2.18 J19#19.1
Board_13-/AUX2: FPC1.17 FPC2.2 J20#4.1
Board_13-/AUX3: FPC1.4 FPC2.15 J3#8.1
Board_13-/CSB: J8#6.1 U2#18.19
Board_13-/extRef: FPC1.18 FPC2.1 J9#12.1
Board_13-/GPIO: J21#6.1 R1#20.2 SW1#17.1 U1#7.10
Board_13-/i2C_SCL: FPC1.16 FPC2.3 J16#6.1 J23#4.1 U1#7.20
Board_13-/I2C_SDA: FPC1.15 FPC2.4 J10#16.1 J17#16.1 U1#7.19
Board_13-/IO1_in: FPC1.13 U1#7.3
Board_13-/IO1_out: FPC2.6 J4#19.1 J11#13.1 U1#7.15
Board_13-/IO2: FPC1.14 FPC2.5
Board_13-/LED_IN: LED1#5.3 U1#7.2
Board_13-/LED_OUT: LED2#7.1
Board_13-/PICO: FPC1.11 FPC2.8 J6.1
Board_13-/PICO_ARM: J13#4.1 U1#7.13
Board_13-/POCI: FPC1.10 FPC2.9 J5#13.1
Board_13-/SCLK: FPC1.12 FPC2.7 J7#18.1
Board_13-/SCLK_ARM: J14#8.1 U1#7.12
Board_13-/SPICS_ARM: J15#9.1 U1#7.9
Board_13-/SWDIO/POCI_ARM: J12#4.1 U1#7.14
Board_13-/Vcap: C1#10.2 U1#7.5
Board_13-GND: C1#10.1 FPC1.3 FPC1.19 FPC1.20 FPC2.16 FPC2.19 FPC2.20 I1#9.1 J2#3.1 J22#15.1 J24#6.1 J25#2.1 J26#9.1 LED1#5.2 LED2#7.2 SW1#17.2 U1#7.4 U1#7.21 U2#18.1 U2#18.10 U2#18.11 U2#18.12 U2#18.13 U2#18.14 U2#18.17 U2#18.18
Board_13-Net-(LED1-DO): LED1#5.1 LED2#7.3
Board_13-unconnected-(U1-P00-Pad1): U1#7.1
Board_14-+3.3V: FPC1#7.2 FPC2#9.17 J1#16.1 LED1.4 LED2#18.4 R1.1 U1#10.6 U2#16.20
Board_14-/addr_bus_0: FPC1#7.5 FPC2#9.14 U2#16.3
Board_14-/addr_bus_1: FPC1#7.6 FPC2#9.13 U2#16.5
Board_14-/addr_bus_2: FPC1#7.7 FPC2#9.12 U2#16.7
Board_14-/addr_bus_3: FPC1#7.8 FPC2#9.11 U2#16.9
Board_14-/addr_bus_4: FPC1#7.9 FPC2#9.10 U2#16.16
Board_14-/addr_mod_0: U1#10.18 U2#16.2
Board_14-/addr_mod_1: U1#10.17 U2#16.4
Board_14-/addr_mod_2: U1#10.16 U2#16.6
Board_14-/addr_mod_3: U1#10.7 U2#16.8
Board_14-/addr_mod_4: U1#10.8 U2#16.15
Board_14-/AIN0: J18#4.1 U1#10.11
Board_14-/AUX1: FPC1#7.1 FPC2#9.18 J19#3.1
Board_14-/AUX2: FPC1#7.17 FPC2#9.2 J20#19.1
Board_14-/AUX3: FPC1#7.4 FPC2#9.15 J3#12.1
Board_14-/CSB: J8#12.1 U2#16.19
Board_14-/extRef: FPC1#7.18 FPC2#9.1 J9#17.1
Board_14-/GPIO: J21#15.1 R1.2 SW1#16.1 U1#10.10
Board_14-/i2C_SCL: FPC1#7.16 FPC2#9.3 J16#2.1 J23#9.1 U1#10.20
Board_14-/I2C_SDA: FPC1#7.15 FPC2#9.4 J10#15.1 J17#9.1 U1#10.19
Board_14-/IO1_in: FPC1#7.13 U1#10.3
Board_14-/IO1_out: FPC2#9.6 J4.1 J11#14.1 U1#10.15
Board_14-/IO2: FPC1#7.14 FPC2#9.5
Board_14-/LED_IN: LED1.3 U1#10.2
Board_14-/LED_OUT: LED2#18.1
Board_14-/PICO: FPC1#7.11 FPC2#9.8 J6#7.1
Board_14-/PICO_ARM: J13#20.1 U1#10.13
Board_14-/POCI: FPC1#7.10 FPC2#9.9 J5#17.1
Board_14-/SCLK: FPC1#7.12 FPC2#9.7 J7#20.1
Board_14-/SCLK_ARM: J14#7.1 U1#10.12
Board_14-/SPICS_ARM: J15#11.1 U1#10.9
Board_14-/SWDIO/POCI_ARM: J12#9.1 U1#10.14
Board_14-/Vcap: C1#14.2 U1#10.5
Board_14-GND: C1#14.1 FPC1#7.3 FPC1#7.19 FPC1#7.20 FPC2#9.16 FPC2#9.19 FPC2#9.20 I1#2.1 J2#15.1 J22#5.1 J24#18.1 J25#20.1 J26#15.1 LED1.2 LED2#18.2 SW1#16.2 U1#10.4 U1#10.21 U2#16.1 U2#16.10 U2#16.11 U2#16.12 U2#16.13 U2#16.14 U2#16.17 U2#16.18
Board_14-Net-(LED1-DO): LED1.1 LED2#18.3
Board_14-unconnected-(U1-P00-Pad1): U1#10.1
Board_15-+3.3V: FPC1#2.2 FPC2#11.17 J1#6.1 LED1#20.4 LED2#17.4 R1#7.1 U1#16.6 U2#19.20
Board_15-/addr_bus_0: FPC1#2.5 FPC2#11.14 U2#19.3
Board_15-/addr_bus_1: FPC1#2.6 FPC2#11.13 U2#19.5
Board_15-/addr_bus_2: FPC1#2.7 FPC2#11.12 U2#19.7
Board_15-/addr_bus_3: FPC1#2.8 FPC2#11.11 U2#19.9
Board_15-/addr_bus_4: FPC1#2.9 FPC2#11.10 U2#19.16
Board_15-/addr_mod_0: U1#16.18 U2#19.2
Board_15-/addr_mod_1: U1#16.17 U2#19.4
Board_15-/addr_mod_2: U1#16.16 U2#19.6
Board_15-/addr_mod_3: U1#16.7 U2#19.8
Board_15-/addr_mod_4: U1#16.8 U2#19.15
Board_15-/AIN0: J18#6.1 U1#16.11
Board_15-/AUX1: FPC1#2.1 FPC2#11.18 J19#15.1
Board_15-/AUX2: FPC1#2.17 FPC2#11.2 J20#9.1
Board_15-/AUX3: FPC1#2.4 FPC2#11.15 J3#10.1
Board_15-/CSB: J8#9.1 U2#19.19
Board_15-/extRef: FPC1#2.18 FPC2#11.1 J9#13.1
Board_15-/GPIO: J21#7.1 R1#7.2 SW1#18.1 U1#16.10
Board_15-/i2C_SCL: FPC1#2.16 FPC2#11.3 J16#7.1 J23#10.1 U1#16.20
Board_15-/I2C_SDA: FPC1#2.15 FPC2#11.4 J10#9.1 J17#7.1 U1#16.19
Board_15-/IO1_in: FPC1#2.13 U1#16.3
Board_15-/IO1_out: FPC2#11.6 J4#11.1 J11.1 U1#16.15
Board_15-/IO2: FPC1#2.14 FPC2#11.5
